# KiCad board artix-dc-scm.kicad_pcb (continued)
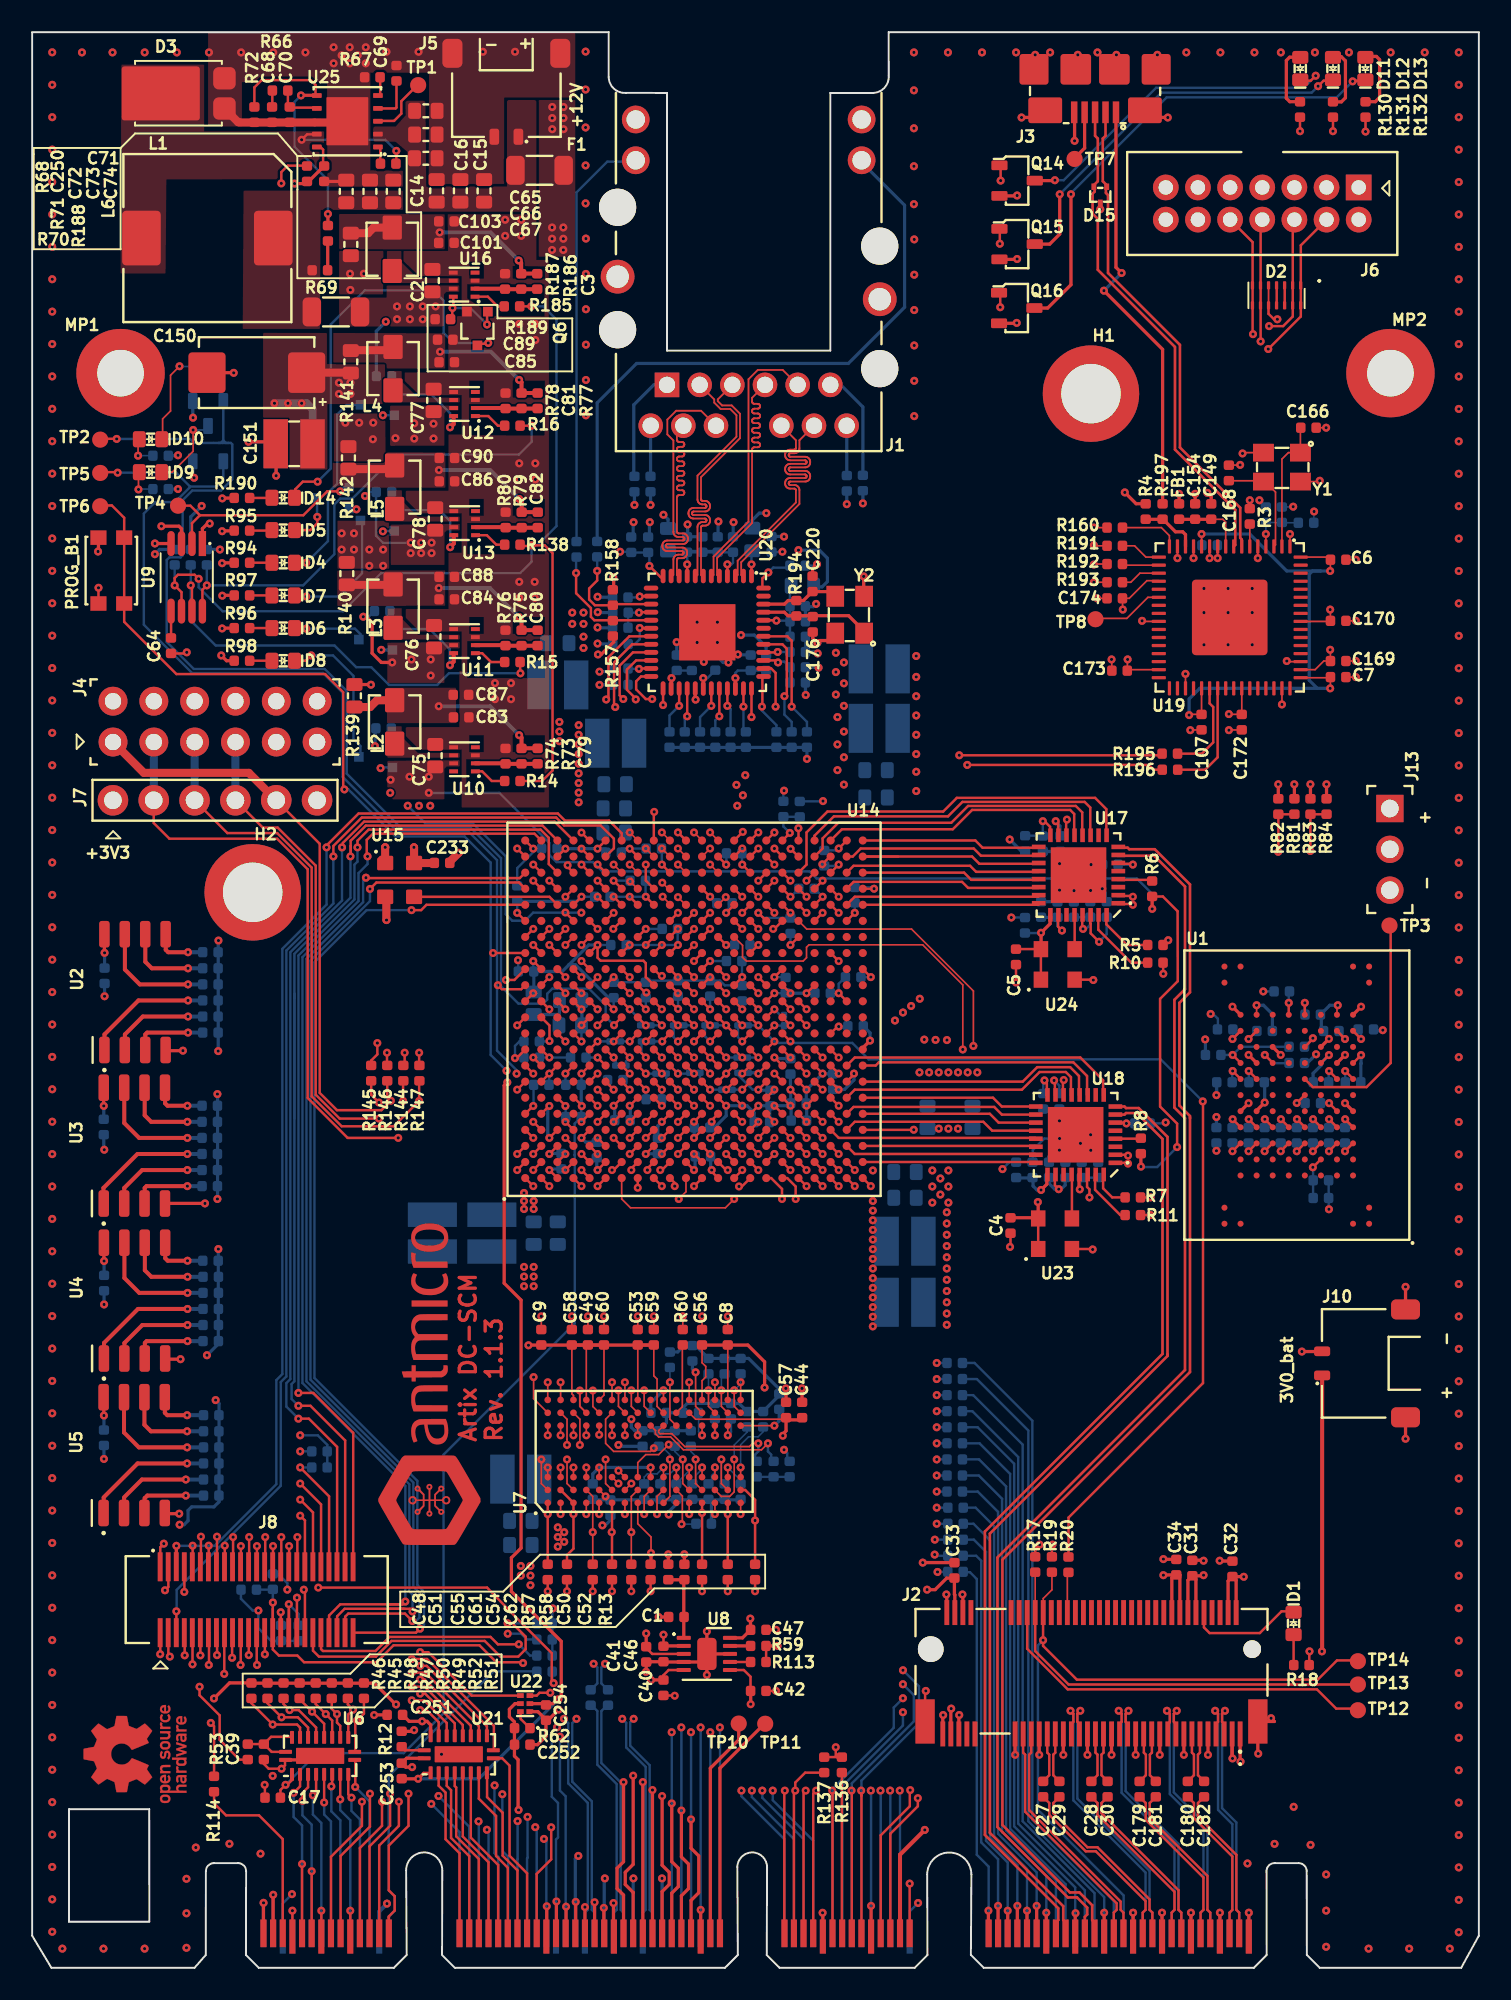
[diagram p0: board, top side]
## Routing (per net, layer and track width the routed paths; a pad name or vN(x,y) marks a point on that pad's centre or on a via; arc(x,y) is an arc through that point) (continued)
  Top w0.15: U7.T2 44.36,29.73 44.97,29.11 v2(44.97,27.83) 44.97,25.11
  In5.Cu w0.1: v2(44.97,27.83) 44.97,31.33 44.07,32.23 44.07,34.12 44.08,34.13 44.08,37.22 43.68,37.62 v4(43.68,47.83)
DDR3_VREF: length 41.5
  Top w0.1: U7.M8 41.27,34.12 46.97,34.12 ; 37.68,28.93 37.68,27.62 38.5,26.8 v4(38.5,25.8)
  Top w0.15: 43.41,18.53 44.27,18.53 44.69,18.11 44.69,17.23
  Top w0.2: 46.97,34.11 47,34.09 48,34.09 ; v4(44.7,16.4) 44.7,17.22 44.69,17.23 ; 46.9,34.22 46.9,33.4 46.7,33.2 v4(46.7,33.1) ; v4(38.5,25.8) 38.5,25.14 38.47,25.11
  In5.Cu w0.2: 42.4,25.1 45,25.1 45.6,25.7 45.6,31.5 46.32,32.22 46.32,32.72 v4(46.7,33.1) ; 42.4,25.1 39.3,25.1 38.6,25.8 v4(38.5,25.8) ; 42.4,25.1 42.7,25.1 45.13,22.67 45.13,18.23 44.7,17.8 v4(44.7,16.4)
DDR3_WE: length 20.4
  Top w0.1: U7.L3 v2(40.07,31.12) ; U14.L1 40.68,48.28 v2(40.23,47.83)
  In5.Cu w0.1: v2(40.23,47.83) 40.23,32.18 40.07,32.03 v2(40.07,31.12)
  Bottom w0.1: v2(40.07,31.12) 39.68,30.73 39.4,30.73 39.07,30.41 39.07,30.11
DONE: length 124.1
  Top w0.15: 4.23,95.11 5.25,95.11 v2(5.26,95.1) ; 36.68,59.14 36.2,58.66
  In5.Cu w0.15: v2(29.59,20.79) 29.23,20.79 25.35,24.67 25.35,53.23 30.77,58.65 36.18,58.65 v2(36.2,58.64)
  Bottom w0.15: 11.89,95.01 11.73,94.85 11.6,94.85 ; 11.89,95.01 11.89,97.51 ; 11.89,95.01 11.89,94.92 11.82,94.85 ; 11.89,95.01 12.05,94.85 12.22,94.85 ; 12.22,94.85 11.82,94.85 ; 12.22,94.85 12.36,94.85 12.45,94.76 12.45,92.59 11.75,91.89 9.96,91.89 9.36,91.29 9.36,87.86 9.23,87.73 8.54,87.73 8.37,87.57 8.37,82.47 10.05,80.79 18.2,80.79 19.57,79.42 19.57,74.28 22.92,70.93 27.26,70.93 29.17,69.02 29.17,61.06 30.25,59.98 31.79,59.98 32.04,60.23 32.04,60.59 32.36,60.91 34.64,60.91 35.68,59.87 35.68,59.16 v2(36.2,58.64) ; 11.82,94.85 11.6,94.85 ; 11.6,94.85 10.07,94.85 9.82,95.1 v2(5.26,95.1) ; v2(29.59,20.79) 30.41,20.79 30.77,20.43 31.39,20.43
ESPI_ALERT_N: length 68.2
  Top w0.15: 26.29,14.47 26.29,15.21 24.44,17.06 v2(24.14,17.06) ; U14.H18 v4(37.18,66.63)
  In5.Cu w0.15: v4(37.18,66.63) 35.77,66.63 35.01,67.39 32.96,67.39 32.31,66.73 29.78,66.73 19.95,56.89 19.95,20.54 23.43,17.06 v2(24.14,17.06)
ESPI_ALERT_N_1V8: length 10.6
  Top w0.15: 26.29,12.1 26.29,11.31 26.38,11.22 26.38,8.18 27.79,6.77 J9.B3
ESPI_CLK: length 72.5
  Top w0.1: v4(40.18,66.6) 40.65,66.13 U14.L18
  Top w0.15: v2(24.14,16.04) 24.54,16.04 25.29,15.29 25.29,14.47
  In5.Cu w0.15: v4(40.18,66.6) 39.35,67.43 37.12,67.43 36.32,68.22 30.44,68.22 19.35,57.14 19.35,20.29 23.61,16.04 v2(24.14,16.04)
ESPI_CLK_1V8: length 10.5
  Top w0.15: J9.B1 26.59,7.14 25.72,8 25.72,10.9 25.29,11.33 25.29,12.1
ESPI_CS0_N: length 70.8
  Top w0.1: v4(39.23,66.63) 39.68,66.18 U14.K18
  Top w0.15: v2(23.62,16.64) 24.39,16.64 25.79,15.24 25.79,14.47
  In5.Cu w0.15: v4(39.23,66.63) 38.75,67.1 35.72,67.1 35.14,67.69 32.87,67.69 32.21,67.03 29.66,67.03 19.65,57.02 19.65,20.42 23.43,16.64 v2(23.62,16.64)
ESPI_CS0_N_1V8: length 10.5
  Top w0.15: 25.79,12.1 25.79,11.32 26.06,11.05 26.06,8.08 27.19,6.95 J9.B2
ESPI_CS1_N: length 64.8
  Top w0.15: 30.4,16.94 27.34,16.94 24.64,19.64 v2(24.14,19.64) ; U14.G15 v4(37.18,63.63)
  In5.Cu w0.15: v2(24.14,19.64) 23.59,19.64 21.75,21.47 21.75,56.15 29.73,64.13 36.68,64.13 v4(37.18,63.63)
ESPI_CS1_N_1V8: length 16.9
  Top w0.15: v2(32.23,17.11) 31.57,17.11 31.39,16.94 U22.3 ; v2(32.29,8.74) 32.29,6.75 31.38,5.84 31.38,1.96
  In5.Cu w0.15: v2(32.23,17.11) 32.23,8.8 v2(32.29,8.74)
ESPI_IO0: length 70
  Top w0.15: U14.K17 v4(40.18,65.63) ; v2(24.14,17.94) 24.41,17.94 27.29,15.06 27.29,14.47
  In5.Cu w0.15: v2(24.14,17.94) 23.4,17.94 20.55,20.79 20.55,56.64 30.03,66.13 35.37,66.13 35.67,65.83 39.6,65.83 39.8,65.63 v4(40.18,65.63)
ESPI_IO0_1V8: length 10.7
  Top w0.15: 27.29,12.11 27.29,8.1 28.99,6.4 J9.B5
ESPI_IO1: length 71.7
  Top w0.15: v2(23.62,18.36) 24.46,18.36 27.79,15.04 27.79,14.47 ; 41.68,64.13 v4(42.18,64.63)
  In5.Cu w0.15: v2(23.62,18.36) 23.4,18.36 20.85,20.91 20.85,56.52 29.37,65.03 36.98,65.03 37.48,65.53 39.48,65.53 39.87,65.13 41.68,65.13 v4(42.18,64.63)
ESPI_IO1_1V8: length 10.7
  Top w0.15: J9.B6 29.59,6.23 28.86,6.96 28.86,9.45 27.79,10.52 27.79,12.1
ESPI_IO2: length 104.4
  Top w0.15: U14.K16 v4(40.18,64.63) ; 28.29,14.49 28.29,15.04 24.54,18.79 v2(24.14,18.79)
  In5.Cu w0.15: v2(24.14,18.79) 23.4,18.79 21.15,21.04 ; v4(40.18,64.63) 39.82,64.63 39.32,65.13 37.57,65.13 37.18,64.73 29.48,64.73 21.15,56.39 ; 21.15,21.04 21.15,56.39 ; 21.15,21.04 21.15,56.39
ESPI_IO2_1V8: length 10.7
  Top w0.15: J9.B7 30.19,6.06 29.27,6.98 29.27,9.65 28.3,10.62 28.3,12.09
ESPI_IO3: length 70.5
  Top w0.15: U14.L16 v4(41.18,64.63) ; v2(23.62,19.21) 24.57,19.21 28.73,15.05 28.73,13.54
  In5.Cu w0.15: v4(41.18,64.63) U14.L16 37.87,64.13 37.57,64.43 29.61,64.43 21.45,56.27 21.45,21.3 23.54,19.21 v2(23.62,19.21)
ESPI_IO3_1V8: length 12
  Top w0.15: J9.B8 30.79,5.88 29.7,6.97 29.7,12.58 29.24,13.04 28.73,13.04
ESPI_RESET_N: length 73.1
  Top w0.15: 41.68,65.13 v4(42.18,65.63) ; 26.79,14.47 26.79,15.11 24.41,17.49 v2(23.62,17.49)
  In5.Cu w0.15: v2(23.62,17.49) 23.43,17.49 20.25,20.67 20.25,56.77 29.91,66.43 32.4,66.43 33.07,67.09 34.87,67.09 35.82,66.13 39.72,66.13 39.72,66.13 41.68,66.13 v4(42.18,65.63)
ESPI_RESET_N_1V8: length 10.6
  Top w0.15: J9.B4 28.39,6.57 26.79,8.17 26.79,12.1
ETH_INT_N: length 15.3
  Top w0.1: 42.68,68.13 v3(42.18,68.63)
  Top w0.15: v2(46.25,78.45) 46.25,80.55 45.98,80.83 45.43,80.83
  In2.Cu w0.15: v2(46.25,78.45) 46.25,76.7 43.37,73.83 43.37,70.13 42.18,68.93 v3(42.18,68.63)
ETH_MDC: length 10.7
  Top w0.1: 42.68,70.13 v3(42.18,70.63)
  Top w0.15: 44.75,79.6 v2(44.75,77.8)
  In2.Cu w0.15: v3(42.18,70.63) 42.18,74.13 44.75,76.7 v2(44.75,77.8)
ETH_MDIO: length 14.7
  Top w0.1: 41.68,69.13 v3(42.18,69.63)
  Top w0.15: v2(45.4,78.45) 45.43,78.48 45.43,80.33
  In2.Cu w0.15: 45.37,76.73 42.87,74.23 42.87,70.33 v3(42.18,69.63) ; v2(45.4,78.45) 45.4,76.75
  Bottom w0.15: v2(45.4,78.45) 45.4,78.2 46.3,77.3 46.3,76.89
ETH_~{RESET}: length 22.9
  Top w0.1: 42.7,66.15 v3(43.15,66.6)
  Top w0.15: 45.43,82.83 46.98,82.83 47.25,82.55 v2(47.25,78.45)
  In2.Cu w0.15: v3(43.15,66.6) 43.15,67.59 43.43,67.87 44.67,67.87 45.68,68.88 45.68,74.53 47.25,76.1 v2(47.25,78.45)
  Bottom w0.15: 48.2,76.89 48.2,77.5 v2(47.25,78.45)
HPM_FW_RECOVERY_R: length 33.3
  Top w0.15: 46.68,51.12 v3(47.18,50.62)
  In2.Cu w0.15: 53.23,24.62 v2(56.32,24.62) ; v3(47.18,50.62) 47.18,50.27 46.68,49.77 46.68,48.93 47.07,48.53 47.07,48.23 47.08,38.52 51.57,34.03 51.57,26.28 53.21,24.64
  Bottom w0.15: 56.96,24.62 v2(56.32,24.62)
HPM_STBY_EN_R: length 52
  Top w0.1: 47.68,65.13 48.18,64.62 54.71,64.62 58.55,60.77 v2(58.55,57.35)
  In5.Cu w0.1: v2(58.55,57.35) 60.12,55.79 60.12,52.43 58.45,50.76 55.84,50.76 55.41,50.33 55.41,27.38 v2(56.15,26.64)
  Bottom w0.15: 56.96,26.64 v2(56.15,26.64)
HPM_STBY_RDY_R: length 58.2
  Top w0.1: v2(57.9,57.13) 57.9,61.14 55.4,63.64 48.32,63.64 48.18,63.49 48.18,62.84 47.96,62.63 44.43,62.63 44.2,62.87 44.2,63.61 43.68,64.13
  In5.Cu w0.1: v2(56.15,25.71) 55.18,26.68 55.18,50.5 55.7,51.02 58.32,51.02 59.87,52.57 59.87,55.35 58.09,57.13 v2(57.9,57.13)
  Bottom w0.15: 56.96,25.64 56.21,25.64 v2(56.15,25.71)
HPM_STBY_RST_N_R: length 27.9
  Top w0.15: 46.68,49.12 46.98,49.12 47.5,48.6 v3(47.5,47.83)
  In2.Cu w0.15: v3(47.5,47.83) 47.5,38.5 51.87,34.12 51.87,29.2 53.45,27.62 v2(56.27,27.62)
  Bottom w0.15: 56.91,27.62 v2(56.27,27.62)
I2C[0]_SCL: length 76.7
  Top w0.15: U14.J16 v4(38.18,63.63)
  In5.Cu w0.15: v4(38.18,63.63) 37.68,63.13 34.77,63.13 34.18,63.73 29.75,63.73 22.05,56.02 22.05,21.67 23.64,20.09 24.44,20.09 24.73,19.8 24.73,10.3 v2(24.83,10.2)
  Bottom w0.15: v2(24.83,10.2) 26.59,8.45 J9.A1
I2C[0]_SDA: length 77.5
  Top w0.15: U14.J15 v4(39.18,63.63)
  In5.Cu w0.15: v4(39.18,63.63) 38.7,63.15 38.25,63.15 37.93,62.83 34.65,62.82 34.05,63.42 29.88,63.42 22.35,55.9 22.35,21.82 23.82,20.36 24.62,20.36 25.01,19.97 25.01,10.96 v2(25.28,10.69)
  Bottom w0.15: J9.A2 27.19,8.78 v2(25.28,10.69)
I2C[1]_SCL: length 79.2
  Top w0.15: U14.L15 v4(41.18,63.63)
  In5.Cu w0.15: v4(41.18,63.63) 40.38,62.83 38.35,62.83 38.05,62.52 34.53,62.52 33.93,63.12 30,63.12 22.65,55.77 22.65,21.97 23.99,20.64 24.76,20.64 27.79,17.61 27.79,9.13 v2(27.77,9.11)
  Bottom w0.15: J9.A3 27.79,9.09 v2(27.77,9.11)
I2C[1]_SDA: length 77.7
  Top w0.15: 41.68,63.13 v4(41.18,62.63)
  In5.Cu w0.15: v2(28.29,8.59) 28.3,8.6 28.3,17.87 24.87,21.3 24.87,21.73 22.95,23.65 22.95,55.65 29.48,62.18 38.13,62.18 38.48,62.53 40.58,62.53 40.68,62.63 v4(41.18,62.63)
  Bottom w0.15: 28.39,2.08 28.39,8.49 v2(28.29,8.59)
I2C[2]_SCL: length 77.5
  Top w0.15: U14.L14 v4(41.18,61.63)
  In5.Cu w0.15: v4(41.18,61.63) 40.58,62.22 38.77,62.22 38.43,61.88 29.6,61.88 23.25,55.52 23.25,23.7 28.77,18.18 v2(28.77,11.35)
  Bottom w0.15: v2(28.77,11.35) 28.76,11.34 28.76,7.14 29,6.9 29,6.84 28.99,6.83 28.99,2.06
I2C[2]_SDA: length 74.9
  Top w0.15: v4(39.18,61.7) 39.1,61.7 U14.J14
  In5.Cu w0.15: v4(39.18,61.7) 38.82,61.7 38.7,61.58 29.73,61.58 23.55,55.4 23.55,23.76 29.27,18.04 29.27,10.81 29.28,10.8 v2(29.25,10.8)
  Bottom w0.15: 29.62,1.98 29.62,6.91 29.25,7.27 v2(29.25,10.8)
I2C[3]_SCL: length 75.6
  Top w0.15: U14.K14 v4(40.18,61.63)
  In5.Cu w0.15: v4(40.18,61.63) 39.82,61.63 39.42,61.23 29.88,61.23 23.85,55.2 23.85,23.81 29.7,17.96 29.7,9.63 v2(30.2,9.13)
  Bottom w0.15: 30.19,1.91 30.19,6.75 30.2,6.76 v2(30.2,9.13)
I2C[3]_SDA: length 77.4
  Top w0.15: 41.68,61.13 v4(42.18,61.63)
  In5.Cu w0.15: v2(30.82,9.39) 30.84,9.41 30.84,17.22 24.15,23.91 24.15,55.05 29.03,59.93 31.18,59.93 32.18,60.93 39.77,60.93 40,61.15 41.7,61.15 v4(42.18,61.63)
  Bottom w0.15: 30.79,1.91 30.79,6.82 30.82,6.85 v2(30.82,9.39)
I2C[4]_SCL: length 74.7
  Top w0.15: U14.K13 v4(40.18,60.63)
  In5.Cu w0.15: v2(31.3,8.75) 31.3,17.16 26.2,22.25 ; v4(40.18,60.63) 32.41,60.63 31.41,59.63 29.15,59.63 24.45,54.92 24.45,24 26.2,22.25
  Bottom w0.15: 31.39,1.93 31.39,8.66 v2(31.3,8.75)
I2C[4]_SDA: length 75.4
  Top w0.15: U14.L13 v4(41.18,60.63)
  In5.Cu w0.15: v2(31.84,8.02) 31.76,8.1 31.76,17.12 24.75,24.13 24.75,54.8 29.27,59.33 31.57,59.33 32.37,60.13 40.68,60.13 v4(41.18,60.63)
  Bottom w0.15: 31.99,1.96 31.99,7.87 v2(31.84,8.02)
I2C[5]_SCL: length 73.1
  Top w0.15: 42.68,61.13 v3(43.18,60.63)
  In2.Cu w0.15: v3(43.18,60.63) 42.68,60.13 42.68,59.33 42.48,59.13 38.8,59.13 37.82,58.15 32.44,58.15 32.41,58.18 31.03,58.18 29.09,56.24 29.09,18.33 32.45,14.96 v2(32.65,14.96)
  Bottom w0.15: v2(32.65,14.96) 32.33,14.63 32.33,10.64 32.72,10.25 32.72,8.11 32.59,7.99 32.59,2.15
I2C[5]_SDA: length 73.5
  Top w0.15: 42.68,62.13 v3(43.18,61.63)
  In2.Cu w0.15: v3(43.18,61.63) 41.68,60.13 39.37,60.13 38.38,59.13 36.95,59.13 36.95,59.13 33.96,59.13 33.76,58.93 31.27,58.93 28.79,56.44 28.79,18.15 32.56,14.38 v2(32.83,14.38)
  Bottom w0.15: J9.A12 33.19,10.67 32.83,11.03 v2(32.83,14.38)
I2C[6]_SCL: length 76.9
  Top w0.15: U14.H13 38.14,60.66 v3(38.21,60.66)
  In2.Cu w0.15: v2(39.79,14.66) 39.79,14.3 39.44,13.96 32.56,13.96 28.49,18.03 28.49,56.64 31.08,59.23 33.66,59.23 34.55,60.13 37.68,60.13 v3(38.21,60.66)
  Bottom w0.15: 39.79,1.96 39.79,14.65
I2C[6]_SDA: length 78.1
  Top w0.15: U14.G13 v3(37.18,60.63)
  In2.Cu w0.15: v2(40.38,14.96) 40.38,14.26 39.79,13.66 32.44,13.66 28.18,17.91 28.18,56.84 30.88,59.53 33.54,59.53 34.44,60.43 36.37,60.43 36.57,60.63 v3(37.18,60.63)
  Bottom w0.15: 40.39,1.96 40.39,14.95
I2C[7]_SCL: length 78.5
  Top w0.15: U14.F13 v3(36.18,61.63)
  In2.Cu w0.15: v2(40.98,14.66) 40.98,14.26 40.09,13.36 32.26,13.36 27.88,17.73 27.88,56.96 30.75,59.83 33.44,59.83 34.34,60.73 35.28,60.73 v3(36.18,61.63)
  Bottom w0.15: 40.99,1.96 40.99,14.65
I2C[7]_SDA: length 79.7
  Top w0.15: U14.E13 v3(35.18,61.63)
  In2.Cu w0.15: v2(41.59,14.96) 41.59,14.36 40.29,13.06 32.14,13.06 27.58,17.61 27.58,57.08 30.63,60.13 33.34,60.13 34.24,61.03 34.58,61.03 v3(35.18,61.63)
  Bottom w0.15: 41.59,1.96 41.59,14.95
I2C[8]_SCL: length 78.3
  Top w0.15: U14.C13 v3(33.18,60.63)
  In2.Cu w0.15: v2(42.18,14.66) 42.18,14.26 40.68,12.76 32.01,12.76 27.28,17.48 27.28,57.21 30.5,60.43 30.87,60.43 32.62,60.43 32.82,60.63 v3(33.18,60.63)
  Bottom w0.15: 42.19,1.96 42.19,14.65
I2C[8]_SDA: length 81
  Top w0.15: U14.C14 v3(33.18,61.63)
  In2.Cu w0.15: v3(33.18,61.63) 32.28,60.73 30.38,60.73 26.98,57.33 26.98,54.63 26.98,17.27 31.8,12.46 40.98,12.46 42.79,14.26 v2(42.79,14.96)
  Bottom w0.15: 42.79,1.96 42.79,14.95
I2C[9]_SCL: length 54.3
  Top w0.15: 45.68,53.13 v4(46.18,52.63)
  In5.Cu w0.15: v4(46.18,52.63) 46.18,51.63 47.37,50.43 47.37,15.85 44.12,12.6 v2(44.12,11.03)
  Bottom w0.15: v2(44.12,11.03) 44.12,10.68 46.79,8.01 46.79,1.96
I2C[9]_SDA: length 57
  Top w0.15: 45.68,54.13 v4(46.18,54.63)
  In5.Cu w0.15: v4(46.18,54.63) 45.68,54.13 45.68,53.48 46.02,53.13 46.37,53.13 46.67,52.83 46.67,51.64 47.67,50.64 47.67,15.72 44.77,12.83 v2(44.77,11.03)
  Bottom w0.15: 47.39,1.86 47.39,8.01 44.77,10.63 v2(44.77,11.03)
I2C[10]_SCL: length 54.9
  Top w0.15: 46.68,54.13 v4(47.18,53.63)
  In5.Cu w0.15: v2(45.42,11.03) 45.42,13.01 47.97,15.56 47.97,50.78 47.18,51.58 v4(47.18,53.63)
  Bottom w0.15: 47.99,1.86 47.99,8.01 45.42,10.58 v2(45.42,11.03)
I2C[10]_SDA: length 54.9
  Top w0.15: U14.W6 v4(48.17,53.62)
  In5.Cu w0.15: v2(46.07,11.03) 46.07,13.23 48.27,15.42 48.27,50.9 47.67,51.5 47.67,53.13 47.68,53.13 v4(48.17,53.62)
  Bottom w0.15: 48.59,1.86 48.59,7.91 46.07,10.43 v2(46.07,11.03)
I2C[11]_SCL: length 60.5
  Top w0.15: 48.68,55.13 v4(49.18,54.63)
  In5.Cu w0.15: v2(52.17,11.03) 52.17,14.33 51.02,15.48 51.02,50.48 51.57,51.03 51.57,55.4 51.58,55.4 51.58,56.22 50.67,57.13 49.97,57.13 49.67,56.83 49.67,55.12 v4(49.18,54.63)
  Bottom w0.15: 52.19,1.96 52.19,11.01 v2(52.17,11.03)
I2C[11]_SDA: length 59.7
  Top w0.15: 48.68,57.13 v4(49.18,56.63)
  In5.Cu w0.15: v4(49.18,56.63) 49.18,56.98 49.62,57.43 50.87,57.43 51.87,56.42 51.87,50.98 51.32,50.42 51.32,15.68 52.77,14.23 v2(52.77,11.03)
  Bottom w0.15: v2(52.77,11.03) 52.79,11.01 52.79,1.96
I2C[12]_SCL: length 62.3
  Top w0.15: 47.68,56.13 v4(48.18,55.63)
  In5.Cu w0.15: v2(53.37,11.03) 53.37,14.12 52.17,15.33 52.17,22.18 52.82,22.82 52.82,49.92 52.17,50.57 52.17,56.55 50.97,57.75 49.3,57.75 48.67,57.13 48.67,56.12 v4(48.18,55.63)
  Bottom w0.15: 53.39,1.96 53.39,11.01
I2C[12]_SDA: length 62.3
  Top w0.15: 47.68,57.13 v4(48.18,56.63)
  In5.Cu w0.15: v2(53.97,11.03) 53.97,14.12 52.47,15.62 52.47,21.98 53.12,22.62 53.12,50.12 52.52,50.72 52.52,50.82 52.47,56.02 52.47,56.67 51.09,58.05 49.18,58.05 48.18,57.05 v4(48.18,56.63)
  Bottom w0.15: 53.99,1.96 53.99,11.01
I3C[0]_SCL: length 10.4
  Top w0.15: v2(16.26,10.88) 16.66,11.28 16.66,12
  Bottom w0.15: v2(16.26,10.88) 16.26,9.39 16.79,8.86 16.79,1.96
I3C[0]_SCL_3V3: length 67
  Top w0.15: 16.66,14.37 16.66,14.95 16.48,15.14 v2(14.96,15.14) 13.64,16.46 13.64,16.76 ; U14.A21 v3(30.18,69.63)
  In2.Cu w0.15: v3(30.18,69.63) 28.5,69.63 18.27,59.4 18.27,22.56 14.91,19.2 14.91,15.19 v2(14.96,15.14)
I3C[0]_SDA: length 10.4
  Top w0.15: 17.16,12 17.16,11.24 16.82,10.89 v2(16.82,10.38)
  Bottom w0.15: v2(16.82,10.38) 16.82,9.49 17.39,8.91 17.39,1.96
I3C[0]_SDA_3V3: length 66.3
  Top w0.15: U14.B20 v3(31.18,68.63) ; 17.16,14.37 17.16,14.95 16.53,15.59 v2(15.51,15.59) 14.64,16.46 14.64,16.76
  In2.Cu w0.15: v3(31.18,68.63) 27.92,68.63 18.57,59.28 18.57,22.18 15.37,18.97 15.37,15.74 v2(15.51,15.59)
I3C[1]_SCL: length 10.3
  Top w0.15: 17.66,12 17.66,10.94 v2(17.46,10.74)
  Bottom w0.15: v2(17.46,10.74) 17.46,9.54 17.99,9.01 17.99,1.96
I3C[1]_SCL_3V3: length 66.8
  Top w0.15: U14.D20 33.31,68.49 v3(33.31,68.59) ; 15.64,16.76 15.64,16.41 v2(16.01,16.04) 16.58,16.04 17.66,14.95 17.66,14.37
  In2.Cu w0.15: v3(33.31,68.59) 31.82,68.59 31.41,68.18 27.93,68.18 18.87,59.12 18.87,21.73 15.96,18.82 15.96,16.09 v2(16.01,16.04)
I3C[1]_SDA: length 10.2
  Top w0.15: 18.16,12 v2(18.16,10.29)
  Bottom w0.15: 18.59,1.96 18.59,9.11 18.16,9.54 v2(18.16,10.29)
I3C[1]_SDA_3V3: length 68.1
  Top w0.15: 18.16,14.37 18.16,15.19 v2(17.41,15.94) 16.64,16.71 16.64,16.76 ; U14.F20 v3(35.18,68.63)
  In2.Cu w0.15: v2(17.41,15.94) 16.74,16.61 16.74,19.09 19.17,21.52 19.17,58.99 28.11,67.93 31.68,67.93 31.85,68.1 34.65,68.1 v3(35.18,68.63)
I3C[2]_SCL: length 10.3
  Top w0.15: 18.66,12 18.66,11.34 v2(18.61,11.29)
  Bottom w0.15: 19.19,1.96 19.19,3.17 19.18,3.18 19.18,9.18 18.61,9.74 v2(18.61,11.29)
I3C[2]_SCL_3V3: length 63.9
  Top w0.15: 18.66,14.37 18.66,15.39 v2(18.26,15.79) 17.64,16.41 17.64,16.76 ; U14.C19 v3(32.18,67.63)
  In2.Cu w0.15: v2(18.26,15.79) 17.64,16.41 17.64,19.09 19.47,20.92 19.47,58.87 28.23,67.63 v3(32.18,67.63)
I3C[2]_SDA: length 10.3
  Top w0.15: 19.16,12 v2(19.16,10.48)
  Bottom w0.15: v2(19.16,10.48) 19.16,9.81 19.79,9.18 19.79,1.96
I3C[2]_SDA_3V3: length 66.2
  Top w0.15: U14.F19 v3(35.18,67.63) ; 19.16,14.37 19.16,15.06 18.96,15.26 v2(18.96,15.79) 18.64,16.11 18.64,16.76
  In2.Cu w0.15: v2(18.96,15.79) 18.3,16.45 18.3,19.2 19.77,20.67 19.77,58.75 28.2,67.18 32.37,67.18 32.82,67.63 v3(35.18,67.63)
I3C[3]_SCL: length 10.3
  Top w0.15: 19.66,12 19.66,10.79 v2(19.87,10.59)
  Bottom w0.15: v2(19.87,10.59) 19.87,9.76 20.39,9.24 20.39,1.96
I3C[3]_SCL_3V3: length 62.4
  Top w0.15: U14.D19 v3(33.18,66.63) ; 19.66,14.37 19.66,15.76 v2(19.96,16.06) 19.64,16.39 19.64,16.76
  In2.Cu w0.15: v3(33.18,66.63) 28.5,66.63 20.37,58.5 20.37,20.42 19.68,19.73 19.68,16.35 v2(19.96,16.06)
I3C[3]_SDA: length 11.3
  Top w0.15: 20.1,12.94 v2(20.1,11.25)
  Bottom w0.15: v2(20.1,11.25) 20.99,10.36 20.99,1.96
I3C[3]_SDA_3V3: length 67.2
  Top w0.15: 20.64,16.76 20.64,15.81 v2(20.21,15.39) 20.1,15.27 20.1,13.44 ; U14.F18 v3(35.18,66.63)
  In2.Cu w0.15: 34.68,67.13 32.87,67.13 32.67,66.92 28.38,66.92 20.07,58.62 20.07,20.55 19.18,19.65 19.18,16.22 20.01,15.39 v2(20.21,15.39) ; 34.7,67.1 v3(35.18,66.63)
INIT: length 139
  Top w0.15: v2(5.32,93) 5.28,93.04 4.23,93.04 ; v2(30.27,20.12) 28.98,20.12 28.51,20.59 22.23,20.59 21.36,19.71 18.09,19.71 17.97,19.83 17.97,20.85 ; 46.68,60.13 v4(47.18,59.63)
  In5.Cu w0.15: v4(47.18,59.63) 46.93,59.38 46.93,58.63 46.35,58.05 43.8,58.05 42.92,57.17 31.69,57.17 v2(30.14,55.62) 30.14,54.73 25.95,50.54 25.95,25.76 30.27,21.44 v2(30.27,20.12)
  Bottom w0.15: v2(5.32,93) 8.96,93 9.82,92.14 ; 31.39,19.43 30.98,19.43 v2(30.27,20.12) ; v2(30.14,55.62) 30.14,55.84 28.92,57.06 28.92,68.9 27.14,70.68 22.72,70.68 19.32,74.08 19.32,79.31 18.09,80.54 9.95,80.54 6.95,83.54 6.95,90.46 7.66,91.17 8.89,91.17 9.82,92.1 9.82,92.14 ; 9.82,92.14 11.48,92.14 11.89,92.55 11.89,93.76
IRQ_N_R: length 16.5
  Top w0.15: 51.68,49.12 v3(52.18,48.62)
  In2.Cu w0.15: v2(56.27,37.62) 52.98,37.62 51.57,39.03 51.57,48.03 v3(52.18,48.62)
  Bottom w0.15: 56.91,37.62 v2(56.27,37.62)
JTAG_TCK: length 128.9
  Top w0.1: 66.87,89.59 v2(66.05,89.59)
  Top w0.15: v2(76.95,102.12) 77.83,102.12 78.43,102.72 78.43,108.65 J6.6 ; v3(48.18,59.63) 48.17,59.63 47.68,60.13
  In2.Cu w0.15: v3(48.18,59.63) 52.97,59.63 v2(53.67,58.93)
  In5.Cu w0.15: v2(76.95,102.12) 75.75,102.12 75.52,101.89 ; 75.7,102.09 75.5,101.89 75.5,98.54 66.55,89.59 v2(66.05,89.59) 58.77,82.31 58.77,65.73 53.67,60.62 v2(53.67,58.93) 53.4,58.65 53.4,50.9 54.02,50.28 54.02,22.12 53.4,21.5 53.4,17.54 v2(54.17,16.77)
  Bottom w0.15: v2(54.17,16.77) 54.17,16.76 53.6,16.19 53.6,14.93 49.79,11.12 49.79,1.96
JTAG_TDI: length 131.1
  Top w0.1: 66.87,88.45 66.08,88.45 v2(66.05,88.49)
  Top w0.15: J6.10 75.93,107.35 75.93,101.65 v2(75.95,101.62) ; 44.68,61.13 v3(45.18,60.63)
  In2.Cu w0.15: v2(54.18,59.43) 53.49,60.11 45.69,60.11 v3(45.18,60.63)
  In5.Cu w0.15: v2(75.95,101.62) 75.95,98.49 67.65,90.19 67.65,89.19 66.95,88.49 v2(66.05,88.49) 66.01,88.53 65.47,88.53 59.07,82.13 59.07,65.43 54.18,60.53 v2(54.18,59.43) 54.18,58.12 53.7,57.64 53.72,50.94 54.32,50.34 54.32,21.92 53.7,21.3 53.7,18.11 v2(54.17,17.64)
  Bottom w0.15: 50.99,1.96 50.99,11.47 54.85,15.33 54.85,16.96 v2(54.17,17.64)
JTAG_TDO: length 129.9
  Top w0.1: 66.87,87.32 66.08,87.32 v2(66.05,87.29)
  Top w0.15: 46.68,61.13 v3(47.18,60.63) ; v2(76.43,101.17) 76.43,108.65 J6.8
  In2.Cu w0.15: v2(54.68,59.83) 53.99,60.53 51.07,60.53 50.27,61.33 47.87,61.33 v3(47.18,60.63)
  In5.Cu w0.15: v2(54.17,18.51) 54.17,18.86 54,19.04 54,21.2 54.62,21.82 54.62,50.39 54,51.01 54,57.52 54.68,58.2 v2(54.68,59.83) 54.68,60.37 59.37,65.06 59.37,81.93 64.74,87.29 v2(66.05,87.29) 67.05,87.29 68.25,88.49 68.25,90.29 76.35,98.39 76.35,101.1 v2(76.43,101.17)
  Bottom w0.15: v2(54.17,18.51) 55.17,17.51 55.17,15.23 51.59,11.65 51.59,1.96
JTAG_TMS: length 134.6
  Top w0.1: 66.87,86.19 v2(66.05,86.19)
  Top w0.15: v2(76.9,100.7) 78.93,102.72 78.93,107.15 J6.4 ; 45.68,61.13 v3(45.18,61.63)
  In2.Cu w0.15: v2(55.22,60.28) 54.67,60.83 53.86,60.83 51.57,60.83 50.77,61.63 50.15,61.63 48.87,61.63 48.87,61.63 47.68,61.63 47.18,61.13 45.68,61.13 v3(45.18,61.63)
  In5.Cu w0.15: v2(54.17,15.9) 54.88,16.61 54.88,18.61 54.42,19.07 54.42,21.12 54.92,21.62 54.92,50.52 54.42,51.02 54.42,57.36 55.22,58.16 v2(55.22,60.28) 55.47,60.53 55.48,60.53 59.68,64.73 59.68,81.73 64.14,86.19 v2(66.05,86.19) 67.45,86.19 68.95,87.69 68.95,90.5 76.9,98.45 v2(76.9,100.7)
  Bottom w0.15: 50.39,1.96 50.39,11.3 54.17,15.08 v2(54.17,15.9)
MMC_CLK: length 42.9
  Top w0.15: 49.68,66.13 v3(50.18,65.63)
  In2.Cu w0.15: v3(50.18,65.63) 50.97,64.83 55.72,64.83 60.2,60.35 64.78,60.33 65.18,60.73 73.68,60.73 73.71,60.72 73.74,60.71 73.77,60.69 73.79,60.67 73.81,60.64 73.82,60.61 73.83,60.58 73.83,60.05 73.83,60.02 73.84,59.98 73.86,59.96 73.88,59.93 73.91,59.91 73.94,59.9 73.97,59.9 74.01,59.9 74.04,59.91 74.07,59.93 74.09,59.96 74.11,59.98 74.12,60.02 74.12,60.05 74.12,61.65 74.13,61.68 74.14,61.72 74.16,61.74 74.18,61.77 74.21,61.79 74.24,61.8 74.28,61.8 74.31,61.8 74.34,61.79 74.37,61.77 74.39,61.74 74.41,61.72 74.42,61.68 74.43,61.65 74.43,60.4 74.43,60.37 74.44,60.33 74.46,60.31 74.48,60.28 74.51,60.26 74.54,60.25 74.58,60.25 74.61,60.25 74.64,60.26 74.67,60.28 74.69,60.31 74.71,60.33 74.72,60.37 74.72,60.4 74.72,61.65 74.73,61.68 74.74,61.72 74.76,61.74 74.78,61.77 74.81,61.79 74.84,61.8 74.88,61.8 74.91,61.8 74.94,61.79 74.97,61.77 74.99,61.74 75.01,61.72 75.02,61.68 75.03,61.65 75.03,60.1 75.03,60.07 75.04,60.03 75.06,60.01 75.08,59.98 75.11,59.96 75.14,59.95 75.18,59.95 75.21,59.95 75.24,59.96 75.27,59.98 75.29,60.01 75.31,60.03 75.32,60.07 75.33,60.1 75.33,61.65 75.33,61.68 75.34,61.72 75.36,61.74 75.38,61.77 75.41,61.79 75.44,61.8 75.47,61.8 75.51,61.8 75.54,61.79 75.57,61.77 75.59,61.74 75.61,61.72 75.62,61.68 75.62,61.65 75.62,60.35 75.63,60.32 75.64,60.28 75.66,60.26 75.68,60.23 75.71,60.21 75.74,60.2 75.78,60.2 75.81,60.2 75.84,60.21 75.87,60.23 75.89,60.26 75.91,60.28 75.92,60.32 75.93,60.35 75.93,61.65 75.93,61.68 75.94,61.72 75.96,61.74 75.98,61.77 76.01,61.79 76.04,61.8 76.08,61.8 76.11,61.8 76.14,61.79 76.17,61.77 76.19,61.74 76.21,61.72 76.22,61.68 76.22,61.65 76.22,60.88 76.23,60.84 76.24,60.81 76.26,60.78 76.28,60.76 76.31,60.74 ; v2(76.59,60.74) 76.59,60.74 76.31,60.74 ; 76.31,60.74 76.34,60.73 76.38,60.73
  Bottom w0.15: 77.25,60.74 v2(76.59,60.74)
MMC_CMD: length 45.5
  Top w0.15: v2(79.17,60.03) 79.17,59.29 ; 49.68,67.13 v3(50.18,66.63)
  In2.Cu w0.15: v3(50.18,66.63) 51.18,66.63 52.67,65.13 55.97,65.13 58.68,62.43 71.47,62.43 71.51,62.42 71.54,62.41 71.57,62.39 71.59,62.37 71.61,62.34 71.62,62.31 71.62,62.28 71.62,61.54 71.63,61.5 71.64,61.47 71.66,61.44 71.68,61.42 71.71,61.4 71.74,61.39 71.78,61.39 71.81,61.39 71.84,61.4 71.87,61.42 71.89,61.44 71.91,61.47 71.92,61.5 71.93,61.54 71.93,63.31 71.93,63.35 71.94,63.38 71.96,63.41 71.98,63.43 72.01,63.45 72.04,63.46 72.08,63.46 72.11,63.46 72.14,63.45 72.17,63.43 72.19,63.41 72.21,63.38 72.22,63.35 72.22,63.31 72.22,61.54 72.23,61.5 72.24,61.47 72.26,61.44 72.28,61.42 72.31,61.4 72.34,61.39 72.38,61.39 72.41,61.39 72.44,61.4 72.47,61.42 72.49,61.44 72.51,61.47 72.52,61.5 72.53,61.54 72.53,63.31 72.53,63.35 72.54,63.38 72.56,63.41 72.58,63.43 72.61,63.45 72.64,63.46 72.68,63.46 72.71,63.46 72.74,63.45 72.77,63.43 72.79,63.41 72.81,63.38 72.82,63.35 72.83,63.31 72.83,61.54 72.83,61.5 72.84,61.47 72.86,61.44 72.88,61.42 72.91,61.4 72.94,61.39 72.97,61.39 73.01,61.39 73.04,61.4 73.07,61.42 73.09,61.44 73.11,61.47 73.12,61.5 73.12,61.54 73.12,63.31 73.13,63.35 73.14,63.38 73.16,63.41 73.18,63.43 73.21,63.45 73.24,63.46 73.28,63.46 73.31,63.46 73.34,63.45 73.37,63.43 73.39,63.41 73.41,63.38 73.42,63.35 73.43,63.31 73.43,62.58 73.43,62.54 73.44,62.51 73.46,62.48 73.48,62.46 73.51,62.44 73.54,62.43 73.58,62.43 76.78,62.43 v2(79.17,60.03)
  Bottom w0.15: v2(79.17,60.03) 79.18,60.02 79.18,59.3
MMC_DAT0: length 46.1
  Top w0.15: 43.68,65.13 v3(44.18,64.63) ; 82.17,55.3 v2(81.68,55.79)
  In2.Cu w0.15: v3(44.18,64.63) 44.18,63.13 44.48,62.83 45.98,62.83 46.87,61.93 51.07,61.93 51.87,61.13 55.47,61.13 60.87,55.73 64.88,55.73 65.88,54.73 79.75,54.73 80.01,54.99 80.04,54.98 80.07,54.97 80.1,54.95 80.13,54.93 80.14,54.9 80.16,54.87 80.16,54.84 80.16,54.58 80.16,54.54 80.17,54.51 80.19,54.48 80.22,54.46 80.24,54.44 80.28,54.43 80.31,54.43 80.34,54.43 80.37,54.44 80.4,54.46 80.43,54.48 80.44,54.51 80.46,54.54 80.46,54.58 80.46,54.99 80.53,54.99 80.53,55.04 80.54,55.05 80.54,55.06 80.54,55.07 80.55,55.08 80.56,55.08 80.57,55.08 80.58,55.09 80.78,55.09 80.8,55.08 80.81,55.08 80.82,55.08 80.82,55.07 80.83,55.06 80.83,55.05 80.84,55.02 80.84,55.01 80.84,55 80.85,55 80.86,54.99 80.87,54.99 80.88,54.99 v2(81.68,55.79)
  Bottom w0.15: 81.69,55.09 81.69,55.78 v2(81.68,55.79)
